# Altium PCB PCB_WINGLET_V1P_OSR.PcbDoc (part 2 of 4)
Units mm, origin at the board's own origin, x right, y up, seen from the top; angles counter-clockwise.
Board outline 100 x 150 mm, 4 copper layers (L1, L2, L3, L4), stack 1.586 mm thick; 401 components, 270 nets, 1431 pads, 1117 vias.
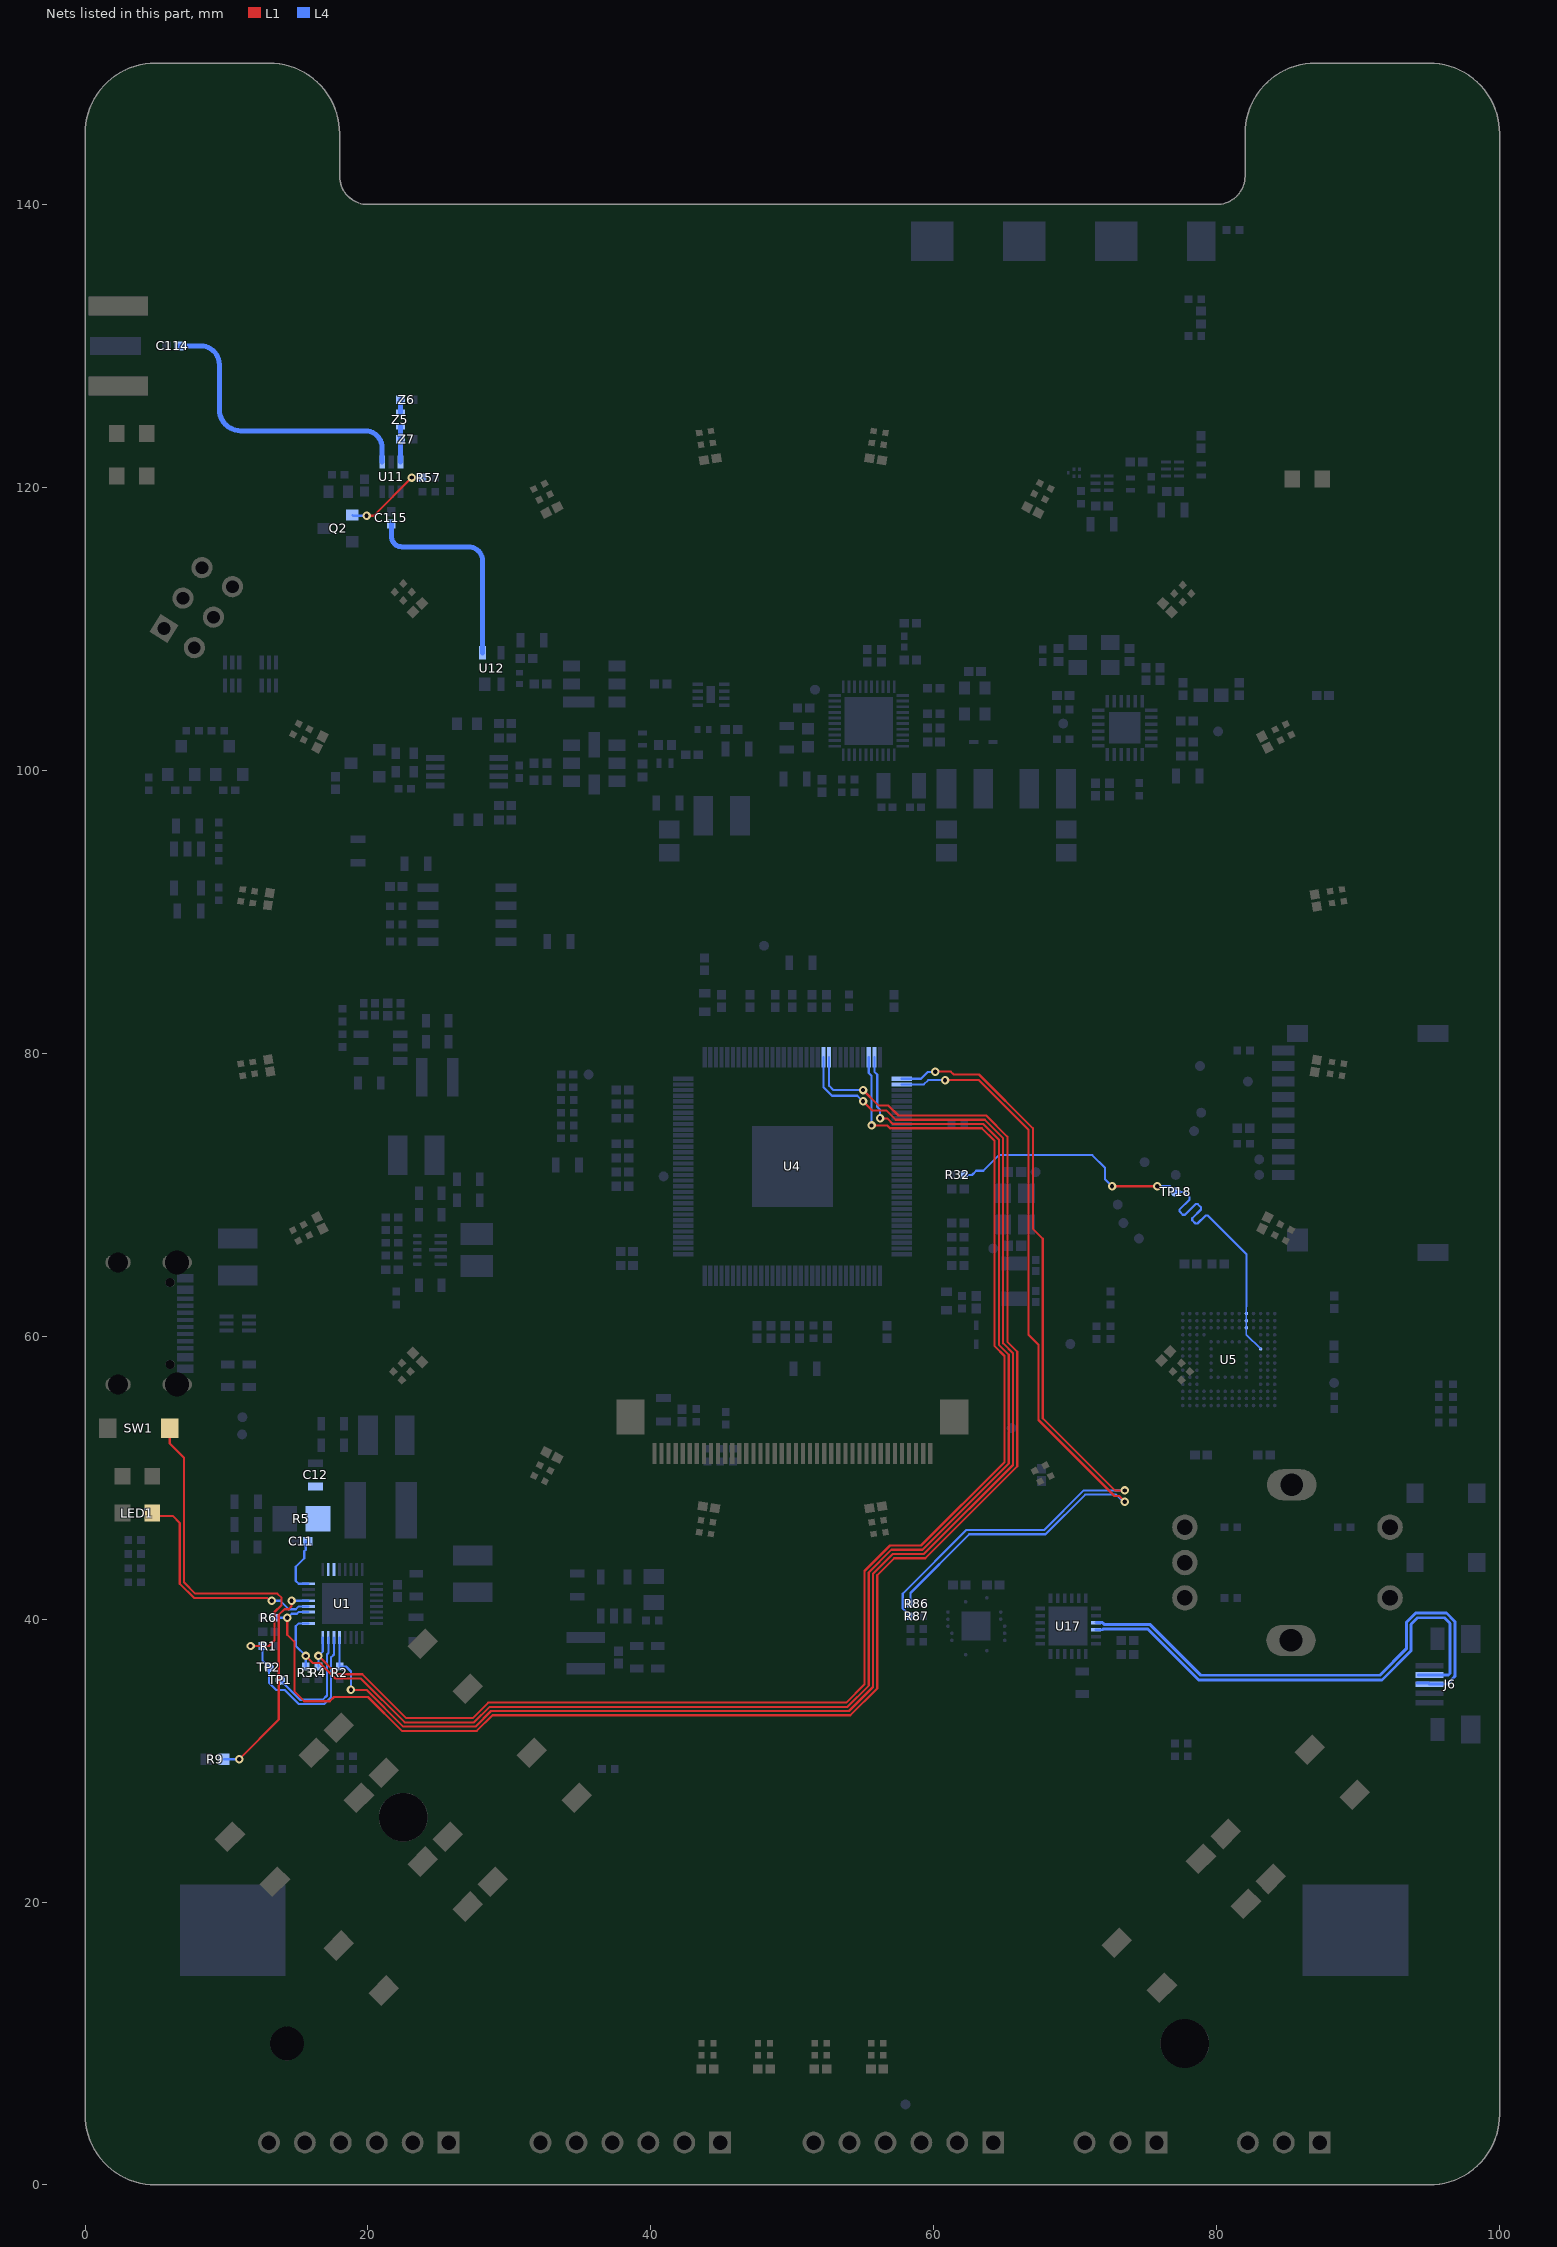
[diagram p4: the nets of this part, all layers, seen from the top]

## Footprints (in the part's own frame and the unit in brackets; to place one, negate y for a bottom-side part, rotate by r counter-clockwise, add the part's x,y. Pads: shape width x height; smd on the part's side, far side on the other; paste and mask are expansions set on the pad) (continued)
LCSC_TF_PUSH [mm] "C393941"
  rect 0.7x1.6 smd paste+0 mask+0.051: 1(2.25,5.3) 2(1.15,5.3) 3(0.05,5.3) 4(-1.05,5.3) 5(-2.15,5.3) 6(-3.25,5.3) 7(-4.35,5.3) 8(-5.45,5.3) CD(-6.55,5.3)
  rect 1.2x2.2 smd paste+0 mask+0.051: MNT(-7.75,-5.3) MNT(7.75,-5.3)
  rect 1.2x1.5 smd paste+0 mask+0.051: MNT(-7.75,4.3)
  rect 1.6x1.5 smd paste+0 mask+0.051: MNT(6.85,4.3)
  Keep-Out Layer board cut-out: 3.65,-5.7 3.568,-5.402 3.348,-5.185 3.05,-5.106 2.752,-5.185 2.532,-5.402 2.45,-5.7 2.45,-5.7 2.532,-5.998 2.752,-6.215 3.05,-6.294 3.348,-6.215 3.568,-5.998 3.65,-5.7
  Keep-Out Layer board cut-out: -4.35,-5.7 -4.432,-5.402 -4.652,-5.185 -4.95,-5.106 -5.248,-5.185 -5.468,-5.402 -5.55,-5.7 -5.55,-5.7 -5.468,-5.998 -5.248,-6.215 -4.95,-6.294 -4.652,-6.215 -4.432,-5.998 -4.35,-5.7
  silkscreen extent -7.26,-9.7 8,5.3, body extent -8.07,-9.69 8.08,5.51, height 2.05
ONSC-SOT-23-3-318-08_V [mm] "SOT23, 3-Leads, Body 2.92x1.3mm, Pitch 0.95mm"
  rect 0.9x0.8 smd: 1(-1,0.95) 2(-1,-0.95) 3(1,0)
  silkscreen extent -1.13,-1.46 0.65,2.02, body extent -0.65,-1.46 0.65,1.46, height 1.11
QFN40P500X500X90_HS-41N [mm] "QFN, 40-Leads, Body 5.00x5.00mm, Pitch 0.40mm, Thermal Pad 3.40x3.40mm, IPC Medium Density"
  rect 0.9x0.2 smd: 1(-2.4,1.8) 2(-2.4,1.4) 3(-2.4,1) 4(-2.4,0.6) 5(-2.4,0.2) 6(-2.4,-0.2) 7(-2.4,-0.6) 8(-2.4,-1) 9(-2.4,-1.4) 10(-2.4,-1.8) 21(2.4,-1.8) 22(2.4,-1.4) 23(2.4,-1) 24(2.4,-0.6) 25(2.4,-0.2) 26(2.4,0.2) 27(2.4,0.6) 28(2.4,1) 29(2.4,1.4) 30(2.4,1.8)
  rect 0.2x0.9 smd: 11(-1.8,-2.4) 12(-1.4,-2.4) 13(-1,-2.4) 14(-0.6,-2.4) 15(-0.2,-2.4) 16(0.2,-2.4) 17(0.6,-2.4) 18(1,-2.4) 19(1.4,-2.4) 20(1.8,-2.4) 31(1.8,2.4) 32(1.4,2.4) 33(1,2.4) 34(0.6,2.4) 35(0.2,2.4) 36(-0.2,2.4) 37(-0.6,2.4) 38(-1,2.4) 39(-1.4,2.4) 40(-1.8,2.4)
  rect 3.4x3.4 smd: 41(0,0)
  silkscreen extent -3.47,-2.69 2.69,2.69, body extent -2.55,-2.55 2.55,2.55, height 0.9
QFN50P400X400X90_HS-25N_RTL [mm] "QFN, 24-Leads, Body 4.00x4.00mm, Pitch 0.50mm, Thermal Pad 2.23x2.23mm, IPC Medium Density, Realtek"
  rect 0.9x0.25 smd: 1(-1.875,1.25) 2(-1.875,0.75) 3(-1.875,0.25) 4(-1.875,-0.25) 5(-1.875,-0.75) 6(-1.875,-1.25) 13(1.875,-1.25) 14(1.875,-0.75) 15(1.875,-0.25) 16(1.875,0.25) 17(1.875,0.75) 18(1.875,1.25)
  rect 0.25x0.9 smd: 7(-1.25,-1.875) 8(-0.75,-1.875) 9(-0.25,-1.875) 10(0.25,-1.875) 11(0.75,-1.875) 12(1.25,-1.875) 19(1.25,1.875) 20(0.75,1.875) 21(0.25,1.875) 22(-0.25,1.875) 23(-0.75,1.875) 24(-1.25,1.875)
  rect 2.23x2.23 smd: 25(0,0)
  silkscreen extent -2.92,-2.15 2.15,2.15, body extent -2.01,-2.01 2.01,2.01, height 0.9
QFN127P600-8N [mm] "QFN32_0P4_XPOWERS"
  rect 0.9x0.2 smd: 1(-2.4,1.4) 2(-2.4,1) 3(-2.4,0.6) 4(-2.4,0.2) 5(-2.4,-0.2) 6(-2.4,-0.6) 7(-2.4,-1) 8(-2.4,-1.4) 17(2.4,-1.4) 18(2.4,-1) 19(2.4,-0.6) 20(2.4,-0.2) 21(2.4,0.2) 22(2.4,0.6) 23(2.4,1) 24(2.4,1.4)
  rect 0.2x0.9 smd: 9(-1.4,-2.4) 10(-1,-2.4) 11(-0.6,-2.4) 12(-0.2,-2.4) 13(0.2,-2.4) 14(0.6,-2.4) 15(1,-2.4) 16(1.4,-2.4) 25(1.4,2.4) 26(1,2.4) 27(0.6,2.4) 28(0.2,2.4) 29(-0.2,2.4) 30(-0.6,2.4) 31(-1,2.4) 32(-1.4,2.4)
  rect 2.9x2.9 smd: EPAD(0,0)
  silkscreen extent -3.47,-2.7 2.7,2.7, body extent -2.57,-2.57 2.57,2.57, height 0.8
RESC1005X40X25NL05T05 [mm] "Chip Resistor, 2-Leads, Body 1.05x0.55mm, IPC Medium Density"
  rect 0.55x0.55 smd: 1(-0.45,0) 2(0.45,0)
  body extent -0.53,-0.28 0.53,0.28, height 0.4
RESC1005X40X25NL05T10 [mm] "Chip Resistor, 2-Leads, Body 1.00x0.50mm, IPC Medium Density"
  rect 0.6x0.55 smd: 1(-0.425,0) 2(0.425,0)
  body extent -0.53,-0.27 0.53,0.28, height 0.4
RESC1608X55X25LL10T15 [mm] "Chip Resistor, 2-Leads, Body 1.60x0.80mm, IPC High Density"
  rect 0.6x0.8 smd: 1(-0.65,0) 2(0.65,0)
  body extent -0.85,-0.45 0.85,0.45, height 0.55
RESC1608X55X25NL10T15 [mm] "Chip Resistor, 2-Leads, Body 1.70x0.90mm, IPC Medium Density"
  rect 0.7x0.9 smd: 1(-0.7,0) 2(0.7,0)
  body extent -0.85,-0.45 0.85,0.45, height 0.55
RESC2013X50X30NL20T20 [mm] "Chip Resistor, 2-Leads, Body 2.00x1.25mm, IPC Medium Density"
  rect 1.05x1.45 smd: 1(-0.925,0) 2(0.925,0)
  silkscreen extent -0.1,-0.63 0.1,0.63, body extent -1.1,-0.72 1.1,0.72, height 0.5
SAO_FEMALE [mm] "OG Sullins SFH11-NBPC-D03-ST-BK"
  rect 1.5x1.5 hole 0.9: 1(1.27,2.54)
  round 1.5 hole 0.9: 2(-1.27,2.54) 3(1.27,0) 4(-1.27,0) 5(1.27,-2.54) 6(-1.27,-2.54)
  silkscreen extent -3.05,-6.35 4.27,6.35, body extent -3,-6.27 4.1,6.27, height 8.52
SAW80P110X50-5L [mm] "SAW, 5-Leads, Body 0.90x1.10mm, Pitch 0.40mm, IPC High Density"
  rect 0.2x0.25 smd: 1(-0.4,0) 2(0,-0.25) 3(0.4,-0.25) 4(0.4,0.25) 5(0,0.25)
  silkscreen extent -0.57,0.83 -0.48,0.92, body extent -0.53,-0.48 0.53,0.48, height 0.5
SMTC-TSW-103-07-X-S [mm] ".025 SQ Post Terminal Strip Assembly, 1x3 Pins, Vertical, 2.54mm Pitch, Male"
  rect 1.55x1.55 hole 1.02: 1(0,0)
  round 1.55 hole 1.02: 2(2.54,0) 3(5.08,0)
  silkscreen extent -1.46,-1.27 6.54,1.27, body extent -1.27,-1.27 6.35,1.27, height 8.38
SMTC-TSW-106-07-X-S [mm] ".025 SQ Post Terminal Strip Assembly, 1x6 Pins, Vertical, 2.54mm Pitch, Male"
  rect 1.55x1.55 hole 1.02: 1(0,0)
  round 1.55 hole 1.02: 2(2.54,0) 3(5.08,0) 4(7.62,0) 5(10.16,0) 6(12.7,0)
  silkscreen extent -1.46,-1.27 14.16,1.27, body extent -1.27,-1.24 13.97,1.3, height 8.38
SON50P200X90_HS-9N [mm] "SON, 8-Leads, Body 2.00x2.00mm, Pitch 0.50mm, Thermal Pad 1.20x0.60mm, IPC Medium Density"
  rect 0.75x0.25 smd: 1(-0.94,0.75) 2(-0.94,0.25) 3(-0.94,-0.25) 4(-0.94,-0.75) 5(0.94,-0.75) 6(0.94,-0.25) 7(0.94,0.25) 8(0.94,0.75)
  rect 0.6x1.2 smd: PAD(0,0)
  silkscreen extent -1.47,1.13 -1.38,1.22, body extent -1.03,-1.02 1.03,1.02, height 0.9
SOP127P600X175-8N [mm] "SOP, 8-Leads, Body 4.89x3.90mm, Pitch 1.27mm, IPC Medium Density"
  rect 1.5x0.6 smd: 1(-2.75,1.905) 2(-2.75,0.635) 3(-2.75,-0.635) 4(-2.75,-1.905) 5(2.75,-1.905) 6(2.75,-0.635) 7(2.75,0.635) 8(2.75,1.905)
  silkscreen extent -2.87,-2.5 1.6,2.88, body extent -3.03,-2.5 3.03,2.5, height 1.75
SOT65P210X100-6N [mm] "SOT23, 6-Leads, Body 2.05x2.10mm, Pitch 0.65mm, IPC Medium Density"
  rect 0.9x0.4 smd: 1(-1.05,0.65) 2(-1.05,0) 3(-1.05,-0.65) 4(1.05,-0.65) 5(1.05,0) 6(1.05,0.65)
  silkscreen extent -1.17,-1.1 0.3,1.52, body extent -1.1,-1.07 1.1,1.07, height 1
SOT95P292X115-5N [mm] "SOT23, 5-Leads, Body 2.92x2.92mm, Pitch 0.95mm, IPC Medium Density"
  rect 1.05x0.55 smd: 1(-1.385,0.95) 2(-1.385,0) 3(-1.385,-0.95) 4(1.385,-0.95) 5(1.385,0.95)
  silkscreen extent -1.51,-1.5 0.45,1.9, body extent -1.56,-1.51 1.56,1.51, height 1.15
SOT343P210X110-4N-MMM [mm] "SOT343, 4-Leads, Body 2.05x2.10mm, Minicircuits MMM, IPC Medium Density"
  rect 0.95x0.5 smd: 1(-1.1,0.65) 3(1.1,-0.65) 4(1.1,0.65)
  rect 0.95x0.8 smd: 2(-1.1,-0.5)
  silkscreen extent -1.15,-1.15 0.43,1.25, body extent -1.15,-1.12 1.15,1.12, height 1.1
TESTPOINT-0.7MM-SINGLE-LAYER [mm] "TESTPOINT-0.7MM-SINGLE-LAYER"
  round 0.7 smd paste-1.5 mask+0.075: 1(0,0)
TSOP65P490X110-8N-AD8313 [mm] "TSOP, 8-Leads, Body 3.00x3.00mm, Pitch 0.65mm, IPC Medium Density"
  rect 1.3x0.406 smd: 1(-2.25,0.975) 2(-2.25,0.325) 3(-2.25,-0.325) 4(-2.25,-0.975) 5(2.25,-0.975) 6(2.25,-0.325) 7(2.25,0.325) 8(2.25,0.975)
  silkscreen extent -2.38,-1.6 1.2,1.85, body extent -2.45,-1.6 2.45,1.6, height 1.1
TSQFP40P1600X1600X160_HS-129N [mm] "TSQFP, 128-Leads, Body 14.00x14.00mm, Pitch 0.40mm, Thermal Pad 5.72x5.72mm, IPC Medium Density"
  rect 1.45x0.3 smd: 1(-7.725,6.2) 2(-7.725,5.8) 3(-7.725,5.4) 4(-7.725,5) 5(-7.725,4.6) 6(-7.725,4.2) 7(-7.725,3.8) 8(-7.725,3.4) 9(-7.725,3) 10(-7.725,2.6) 11(-7.725,2.2) 12(-7.725,1.8) 13(-7.725,1.4) 14(-7.725,1) 15(-7.725,0.6) 16(-7.725,0.2) 17(-7.725,-0.2) 18(-7.725,-0.6) 19(-7.725,-1) 20(-7.725,-1.4) 21(-7.725,-1.8) 22(-7.725,-2.2) 23(-7.725,-2.6) 24(-7.725,-3) 25(-7.725,-3.4) 26(-7.725,-3.8) 27(-7.725,-4.2) 28(-7.725,-4.6) 29(-7.725,-5) 30(-7.725,-5.4) 31(-7.725,-5.8) 32(-7.725,-6.2) 65(7.725,-6.2) 66(7.725,-5.8) 67(7.725,-5.4) 68(7.725,-5) 69(7.725,-4.6) 70(7.725,-4.2) 71(7.725,-3.8) 72(7.725,-3.4) 73(7.725,-3) 74(7.725,-2.6) 75(7.725,-2.2) 76(7.725,-1.8) 77(7.725,-1.4) 78(7.725,-1) 79(7.725,-0.6) 80(7.725,-0.2) 81(7.725,0.2) 82(7.725,0.6) 83(7.725,1) 84(7.725,1.4) 85(7.725,1.8) 86(7.725,2.2) 87(7.725,2.6) 88(7.725,3) 89(7.725,3.4) 90(7.725,3.8) 91(7.725,4.2) 92(7.725,4.6) 93(7.725,5) 94(7.725,5.4) 95(7.725,5.8) 96(7.725,6.2)
  rect 0.3x1.45 smd: 33(-6.2,-7.725) 34(-5.8,-7.725) 35(-5.4,-7.725) 36(-5,-7.725) 37(-4.6,-7.725) 38(-4.2,-7.725) 39(-3.8,-7.725) 40(-3.4,-7.725) 41(-3,-7.725) 42(-2.6,-7.725) 43(-2.2,-7.725) 44(-1.8,-7.725) 45(-1.4,-7.725) 46(-1,-7.725) 47(-0.6,-7.725) 48(-0.2,-7.725) 49(0.2,-7.725) 50(0.6,-7.725) 51(1,-7.725) 52(1.4,-7.725) 53(1.8,-7.725) 54(2.2,-7.725) 55(2.6,-7.725) 56(3,-7.725) 57(3.4,-7.725) 58(3.8,-7.725) 59(4.2,-7.725) 60(4.6,-7.725) 61(5,-7.725) 62(5.4,-7.725) 63(5.8,-7.725) 64(6.2,-7.725) 97(6.2,7.725) 98(5.8,7.725) 99(5.4,7.725) 100(5,7.725) 101(4.6,7.725) 102(4.2,7.725) 103(3.8,7.725) 104(3.4,7.725) 105(3,7.725) 106(2.6,7.725) 107(2.2,7.725) 108(1.8,7.725) 109(1.4,7.725) 110(1,7.725) 111(0.6,7.725) 112(0.2,7.725) 113(-0.2,7.725) 114(-0.6,7.725) 115(-1,7.725) 116(-1.4,7.725) 117(-1.8,7.725) 118(-2.2,7.725) 119(-2.6,7.725) 120(-3,7.725) 121(-3.4,7.725) 122(-3.8,7.725) 123(-4.2,7.725) 124(-4.6,7.725) 125(-5,7.725) 126(-5.4,7.725) 127(-5.8,7.725) 128(-6.2,7.725)
  rect 5.72x5.72 smd: EPAD(0,0)
  silkscreen extent -7.85,-6.6 6.6,7.02, body extent -8,-8 8,8, height 1.6

## Part data
ANT1: "GPS/GLONASS/Beidou/Galileo (On/Off Ground) or ISM FR4 Antenna / 1.561, 1.575, 1.603 GHz or 868-928 MHz"
BT1: library part CMP-19636-000019-1, "BATTERY HOLDER 18650 SMD TAB", Max Operating Temperature=145°C, Min Operating Temperature=-50°C, Package Quantity=200, Lead Free="Lead Free", Mount="Surface Mount", Number of Cells=1, Packaging=Tray, Termination=SMD/SMT
C1 C12 C13 C14 C31 C32 C43 C71 C73 C88 C92 C94 C101 C103 C117 C119 C120 C129 C130 C135 C161 C162: library part CMP-2006-00191-1, Manufacturer="AVX Interconnect / Elco", Part Number=TACL106M006XTA, Voltage Rating=10V
C2 C5 C8 C22 C87 C100 C116: library part CMP-04424-000366-1, "100uF 10V ±10% 1.7Ω SMD CASE-B (3528) Tantalum Capacitor", Capacitance=100uF, Case Code (Imperial)=1210, Case Code (Metric)=3528, Dielectric Material=Tantalum, ESR (Equivalent Series Resistance)=1.7R, Leakage Current=6.3uA, Max Operating Temperature=125°C, Min Operating Temperature=-55°C, Package Quantity=1, Tolerance=10%, Voltage=6.3V, Case/Package=1210, Construction=Flat, Depth=2.8mm, Dissipation Factor=10%, Features="General Purpose", Height=1.9mm, Height - Seated (Max)=0.083inch, Lead Free="Lead Free", Length=3.5mm, Mount="Surface Mount", Packaging="Tape and Reel", Polarity=Polar, Radiation Hardening=No, REACH SVHC="No SVHC", RoHS Compliant=Yes, Series=TAJ, Termination=SMD/SMT, Voltage Rating=6.3V, Voltage Rating (DC)=6.3V, Width=2.8mm
C3 C4 C6 C9 C10 C15 C17 C18 C19 C20 C21 C24 C25 C26 C75 C76 C167: library part CMP-2000-05441-1, "Chip Capacitor, 22 uF, +/- 20%, 10 V, -55 to 85 degC, 0603 (1608 Metric), RoHS, Tape and Reel / PN: C1608X5R1A226M080AC", Capacitance=22µF, Manufacturer=TDK, Operating Temperature=-55degC~85degC, Package / Case=0603(1608Metric), Package Description="2-Pin Surface Mount Device, Body 1.6 x 0.8 mm", Package Reference=603, PCN Part Number=MLCCPartNumberChange30/Nov/2012, Ratings=-, Standard Package=1, Temperature Coefficient=X5R, Tolerance=±20%, Voltage - Rated=10V, Applications=GeneralPurpose, Category=Capacitors, Datasheet URL=http://download.siliconexpert.com/pdfs/2015/4/21/15/54/45/779/tdk_/manual/37024850441143360mlcc_commercial_general_en.pdf, Datasheet Version=Mar-15, Design Resources=20WNon-IsolatedBuckLEDDriverUsingPLLNK460KG, Family=CeramicCapacitors, Features=-, Height - Seated (Max)=-, Kits=445-9014-KIT-ND-KITMLCC100PF-22UF060310-50V, Lead Spacing=-, Lead Style=-, Manufacturer URL=http://www.tdk.com/, Mounting Type=SurfaceMount,MLCC, Online Catalog=CSeries,GeneralPurpose, Other Names=445-9077-1, Packaging=CutTape(CT), Product Training Modules=CSeriesGeneralApplicationsSEAT,CCV,andTVCLDesignToolsGuidetoReplacinganElectrolyticCapacitorwithanMLCC, RoHS Information=RoHSCertificate-MLCC, Series=C, Size / Dimension="0.063\"Lx0.031\"W(1.60mmx0.80mm)", Thickness (Max)="0.035\"(0.90mm)", Voltage Rating=10V
C7 C27 C28 C33 C34 C35 C36 C37 C38 C39 C40 C45 C46 C47 C50 C51 C52 C58 C60 C61 C62 C64 C66 C68 C69 C70 C72 C74 C77 C80 C81 C82 C83 C84 C85 C86 C89 C107 C111 C121 C122 C132 C134 C136 C137 C138 C139 C140 C141 C142 C143 C144 C145 C146 C147 C148 C149 C150 C151 C152 C153 C154 C155 C156 C157 C158 C159 C160 C164 C165 C166: library part CMP-2008-02743-1, "04026D104KAT2A", Manufacturer="AVX Interconnect / Elco", Voltage Rating=6.3V, Part Number=04026D104KAT2A
C11 C23 C41 C44 C53 C54 C102 C104 C105 C106 C108 C109 C110 C163: library part CMP-1662-00020-1, "Chip Capacitor, 1 uF, +/- 10%, 6.3 V, -55 to 85 degC, 0402 (1005 Metric), RoHS, Tape and Reel / GRM155R60J105KE19D", Capacitance="1 uF", Case Code (Imperial)=0402, Case Code (Metric)=1005, Max Operating Temperature="85 degC", Min Operating Temperature="-55 degC", Package Quantity=10000, PartNumber=GRM155R60J105KE19D, Tolerance=10%, Type (Capacitors)=X5R, Voltage Rating="6.3 V", Voltage Rating (DC)="3 V", Case/Package=0402, ComponentLink1Description="Manufacturer URL", ComponentLink1URL=http://www.murata.com/, ComponentLink2Description=Datasheet, ComponentLink2URL=http://psearch.en.murata.com/capacitor/product/GRM155R60J105KE19%23.pdf, DatasheetVersion=08/2016, Height="0.5 mm", Length="1 mm", Mount="Surface Mount", Mounting Technology="Surface Mount", PackageDescription="2-Pin Surface Mount Device, Body 1 x 0.5 mm", Packaging="Tape and Reel", Pins=2, Radiation Hardening=No, REACH SVHC="No SVHC", RoHSCompliant=true, Width="0.5 mm"
C16 C29 C30 C42 C55 C59 C63 C65 C67: library part CMP-2008-04543-1, "GRM155R60J225ME15D", Manufacturer=Murata, Voltage Rating=6.3V, Part Number=GRM155R60J225ME15D
C48 C49 C112 C113: library part CMP-2008-02613-1, "04025A220JAT2A", Manufacturer="AVX Interconnect / Elco", Voltage Rating=50V, Part Number=04025A220JAT2A
C56 C57: library part CMP-2008-03917-1, "GRM1555C1H270JA01D", Manufacturer=Murata, Voltage Rating=50V, Part Number=GRM1555C1H270JA01D
C78: library part CMP-2008-01995-1, "VJ0402D1R0BXCAJ", Manufacturer=Vitramon, Part Number=VJ0402D1R0BXCAJ
C79: library part CMP-1034-00084-2, "04025A1R2BAT2A", Manufacturer="AVX Interconnect / Elco", Part Number=04025A1R2BAT2A
C90 C91: library part CMP-2008-04829-1, "0402YJ100FBSTR", Manufacturer="AVX Interconnect / Elco", Part Number=0402YJ100FBSTR
C93 C95 C96 C97: library part CMP-2008-02743-1
C98 C99: library part CMP-1034-00238-2, "GRM1555C1H3R0BA01D", Manufacturer=Murata, DNP=DNP, Part Number=GRM1555C1H3R0BA01D
C114 C115 C123 C124 C125: library part CMP-2008-03915-1, "GRM1555C1H101JA01D", Manufacturer=Murata, Part Number=GRM1555C1H101JA01D
C118 C128 C131 C133: library part CMP-2008-02700-1, "04025C102KAT4A", Manufacturer="AVX Interconnect / Elco", Part Number=04025C102KAT4A
C126 C127: library part CMP-2008-04791-1, "04023J2R9BBSTR", Manufacturer="AVX Interconnect / Elco", 0R SHORT="0R SHORT", Part Number=04023J2R9BBSTR
D1 D4 D5: library part CMP-12225-000058-1, "TVS DIODE 5.25V 17V SOT666", Breakdown Voltage=6V, Capacitance=3.5pF, Case/Package=SOT-666, Clamping Voltage=17V, Leakage Current=150nA, Max Operating Temperature=125°C, Min Operating Temperature=-40°C, Operating Supply Voltage=5V, Package Quantity=1, Peak Pulse Current=5A, Power Line Protection=Yes, Test Current=1mA, Contact Plating=Tin, Depth=1.3mm, Direction=Unidirectional, Element Configuration=Dual, ESD Protection=Yes, Height=0.6mm, Lead Free="Lead Free", Length=1.7mm, Max Breakdown Voltage=6V, Max Reverse Leakage Current=150nA, Min Breakdown Voltage=6V, Mount="Surface Mount", Number of Bidirectional Channels=2, Number Of Channels=2, Number of Elements=1, Number of Pins=6, Packaging="Tape and Reel", Polarity=Unidirectional, Radiation Hardening=No, REACH SVHC="No SVHC", Reverse Breakdown Voltage=6V, Reverse Standoff Voltage=5V, Termination=SMD/SMT, Width=1.3mm, Working Voltage=5V
D2 D3: library part CMP-12187-000026-1, "DIODE SCHOTTKY 40V 300MA SOD523", Capacitance=7pF, Forward Current=300mA, Manufacturer=STMicroelectronics, Max Junction Temp=+150°C, Max Repetitive Reverse Voltage=40V, Max Surge Forward Current=1.25A, Package=SOD-523, Peak Reverse Current=1uA, Temperature="-40°C to +150°C", Temperature Range Low=-40°C, Automotive=No, Category=Diode, ComponentLink2Description=Datasheet, ComponentLink2URL=https://www.st.com/content/ccc/resource/technical/document/datasheet/07/50/54/f2/0d/ba/4a/79/CD00001322.pdf/files/CD00001322.pdf/jcr:content/translations/en.CD00001322.pdf, Device Class L1="Discrete Semiconductors", Device Class L2=Diodes, Device Class L3="Schottky Diodes", Digikey Description="DIODE SCHOTTKY 40V 300MA SOD523", Height=0.7mm, Lead Free=Yes, Manufacturer Part Number=BAT54KFILM, Mouser Description="Schottky Diodes & Rectifiers schottky diode", Octopart=https://octopart.com/bat54kfilm-stmicroelectronics-39618022, RoHS=TRUE, Temperature Range High=+150°C
F1: "SAW FILTER FOR GPS/GLONASS/BEIDOU2 / 1561.10/1575.42/1602 MHz"
F2: "SAW Filter 1090MHz Balanced SMD 3.8x3.8mm"
F3: "SAW Filter 1090MHz Unbalanced SMD 3.8x3.8mm"
FB1 FB2 FB3: library part CMP-0686-00717-3, "Chip Ferrite Bead, 0805, 150Ω @ 100MHz, 0.09Ω, 25%, 1A", Case Code (Imperial)=0805, Case Code (Metric)=2012, Current Rating=800mA, DC Current=200mA, DC Resistance (DCR)=100mR, Max Operating Temperature=125°C, Min Operating Temperature=-55°C, Package Quantity=4000, Test Frequency=100MHz, Tolerance=25%, Case/Package=0805, Contact Plating=Tin, Core Material=Ferrite, DC Resistance-Max=100mR, Depth=1.45mm, Height=0.85mm, Impedance=150R, Lead Free="Lead Free", Length=2mm, Material=Ferrite, Max Current Rating=800mA, Max DC Current=200mA, Number of Circuits=1, Number of Lines=1, Number of Pins=2, Packaging="Tape and Reel", Radiation Hardening=No, REACH SVHC="No SVHC", RoHS Compliant=Yes, Series="EMIFIL®, BLM21A", Shielding=Unshielded, Termination=SMD/SMT, Weight=0.000194oz, Width=1.25mm
J1: library part CMP-245163-000001-1, "CONN RCPT USB2.0 TYPEC 5A", Current Rating=5/6.25/1.25/0.25A, Manufacturer=GCT, Package=0, Temperature="-40°C to +85°C", Temperature Range High=+85°C, Temperature Range Low=-40°C, Voltage Rating=20V, Automotive=No, Category=Conn, ComponentLink2Description=Datasheet, ComponentLink2URL=https://gct.co/files/drawings/usb4105.pdf, Conn Orientation="Right Angle", Contact Material=Gold,Nickel, Device Class L1=Connectors, Device Class L2="USB Connectors", Device Class L3=unset, Digikey Description="CONN RCPT USB2.0 TYPEC 5A", Height=3.46mm, Is Female=yes, Lead Free=Yes, Manufacturer Part Number=USB4105-GF-A, Number of Contacts=16, Octopart=https://octopart.com/usb4105-gf-a-gct-106627878, RoHS=TRUE, USB Standard="USB 2.0"
J2: library part SDCARD_TF_PUSH, "MicroSD Card Slot Push-Pull"
J3: library part FPC-05F-40PH20, "XUNPU FPC 40P 0.5MM / C2856812"
J4: library part CMP-02754-000006-1, "CONN SMA JACK STR 50OHM EDGE MNT / SMA-J-P-H-ST-EM1", Case/Package=SMA, Dielectric Material=PTFE, Housing Color=Gold, Max Frequency=6GHz, Max Operating Temperature=125°C, Min Operating Temperature=-65°C, Package Quantity=1, Voltage Rating=335V, Body Material=Brass, Body Plating=Gold, Center Contact Plating=Gold, Connector Type=SMA, Contact Material=Copper, Contact Plating=Gold, Depth=13.33mm, Fastening Type=Threaded, Impedance=50R, Insulation Material=Polytetrafluoroethylene, Length=6.35mm, Mount=Edge, Orientation=Straight, Packaging=Tray, Radiation Hardening=No, RoHS Compliant=Yes, Series=SMA, Termination=Solder
J5: "SAO V2 Host (Female) Side"
J6: library part MicroQTJ, "MicroQTJ MicroUSB CONN"
L1: library part CMP-14484-001289-1, "Shielded Wirewound Inductor 1uH 30% 3.71A 25.2mΩ SMD / NRS5020T1R0NMGJ", Case/Package=5020, Current Rating=3.6A, DC Resistance (DCR)=25.2mR, Inductance=1uH, Inductance Tolerance=30%, Max DC Current=4A, Max Operating Temperature=125°C, Min Operating Temperature=-25°C, Package Quantity=800, Resistor Type=Wirewound, Self Resonant Frequency=81MHz, Test Frequency=100kHz, Core Material=Ferrite, Depth=5.1mm, Halogen Free="Halogen Free", Height=2mm, Height - Seated (Max)=0.079inch, Lead Free="Lead Free", Lead Pitch=3.3mm, Length=4.9mm, Mount="Surface Mount", Number of Pins=2, Packaging="Tape and Reel", Radiation Hardening=No, RMS Current (Irms)=3.6A, RoHS Compliant=Yes, Saturation Current=4A, Series=NRS, Shielding=Shielded, Termination=SMD/SMT, Tolerance=30%, Width=0.193inch
L2: library part CMP-06042-015149-1, "Shielded Wirewound Inductor 0.47uH 20% 4000mA 0.027Ω 1008 (2520) / DFE252012PD-R47M"
L3 L4: library part CMP-0569-00001-3, "SMD Power Inductors 2.2uH ±20% 1.48A 72mΩ / NR3015T2R2M", Case/Package=3015, Current Rating=1.48A, DC Resistance (DCR)=72mR, Inductance Tolerance=20%, Max DC Current=1.5A, Max Operating Temperature=120°C, Min Operating Temperature=-25°C, Package Quantity=1, Resistor Type=Wirewound, Self Resonant Frequency=64MHz, Test Frequency=100kHz, Core Material=Ferrite, Halogen Free="Halogen Free", Height=1.5mm, Height - Seated (Max)=0.059inch, Inductance=2.2uH, Lead Free="Lead Free", Length=0.118inch, Number of Pins=2, Packaging="Tape and Reel", RMS Current (Irms)=1.5A, RoHS Compliant=Yes, Saturation Current=1.48A, Series=NR, Shielding=Shielded, Termination=SMD/SMT, Tolerance=20%, Width=0.118inch
L5: library part CMP-06042-013926-1, "Multilayer type RF Inductor 2.7nH ±0.3nH 0.12Ω 1000mA 0603 / LQG18HN2N7S00D", Case Code (Imperial)=0603, Case Code (Metric)=1608, Current Rating=500mA, DC Resistance (DCR)=150mR, Inductance=2.7nH, Max Operating Temperature=85°C, Min Operating Temperature=-55°C, Package Quantity=4000, Self Resonant Frequency=6GHz, Test Frequency=100MHz, Case/Package=0603, Core Material=Air, DC Current=500mA, Depth=0.95mm, Height=0.8mm, Height - Seated (Max)=0.037inch, Lead Free="Lead Free", Length=1.75mm, Max DC Current=500mA, Military Standard=Not, Mount="Surface Mount", Number of Pins=2, Packaging="Tape and Reel", Q Factor=12, Radiation Hardening=No, REACH SVHC="No SVHC", Shielding=Unshielded, Termination=SMD/SMT, Width=0.8mm